# Altium PCB PR2387.PcbDoc (part 1 of 2)
Units mil, origin at the board's own origin, x right, y up, seen from the top; angles counter-clockwise.
Board outline 2750 x 2500 mil, 2 copper layers (Top Layer, Bottom Layer), stack 61.6 mil thick; 130 components, 60 nets, 319 pads, 83 vias.
Unrouted connection lines stored in the file: 7.
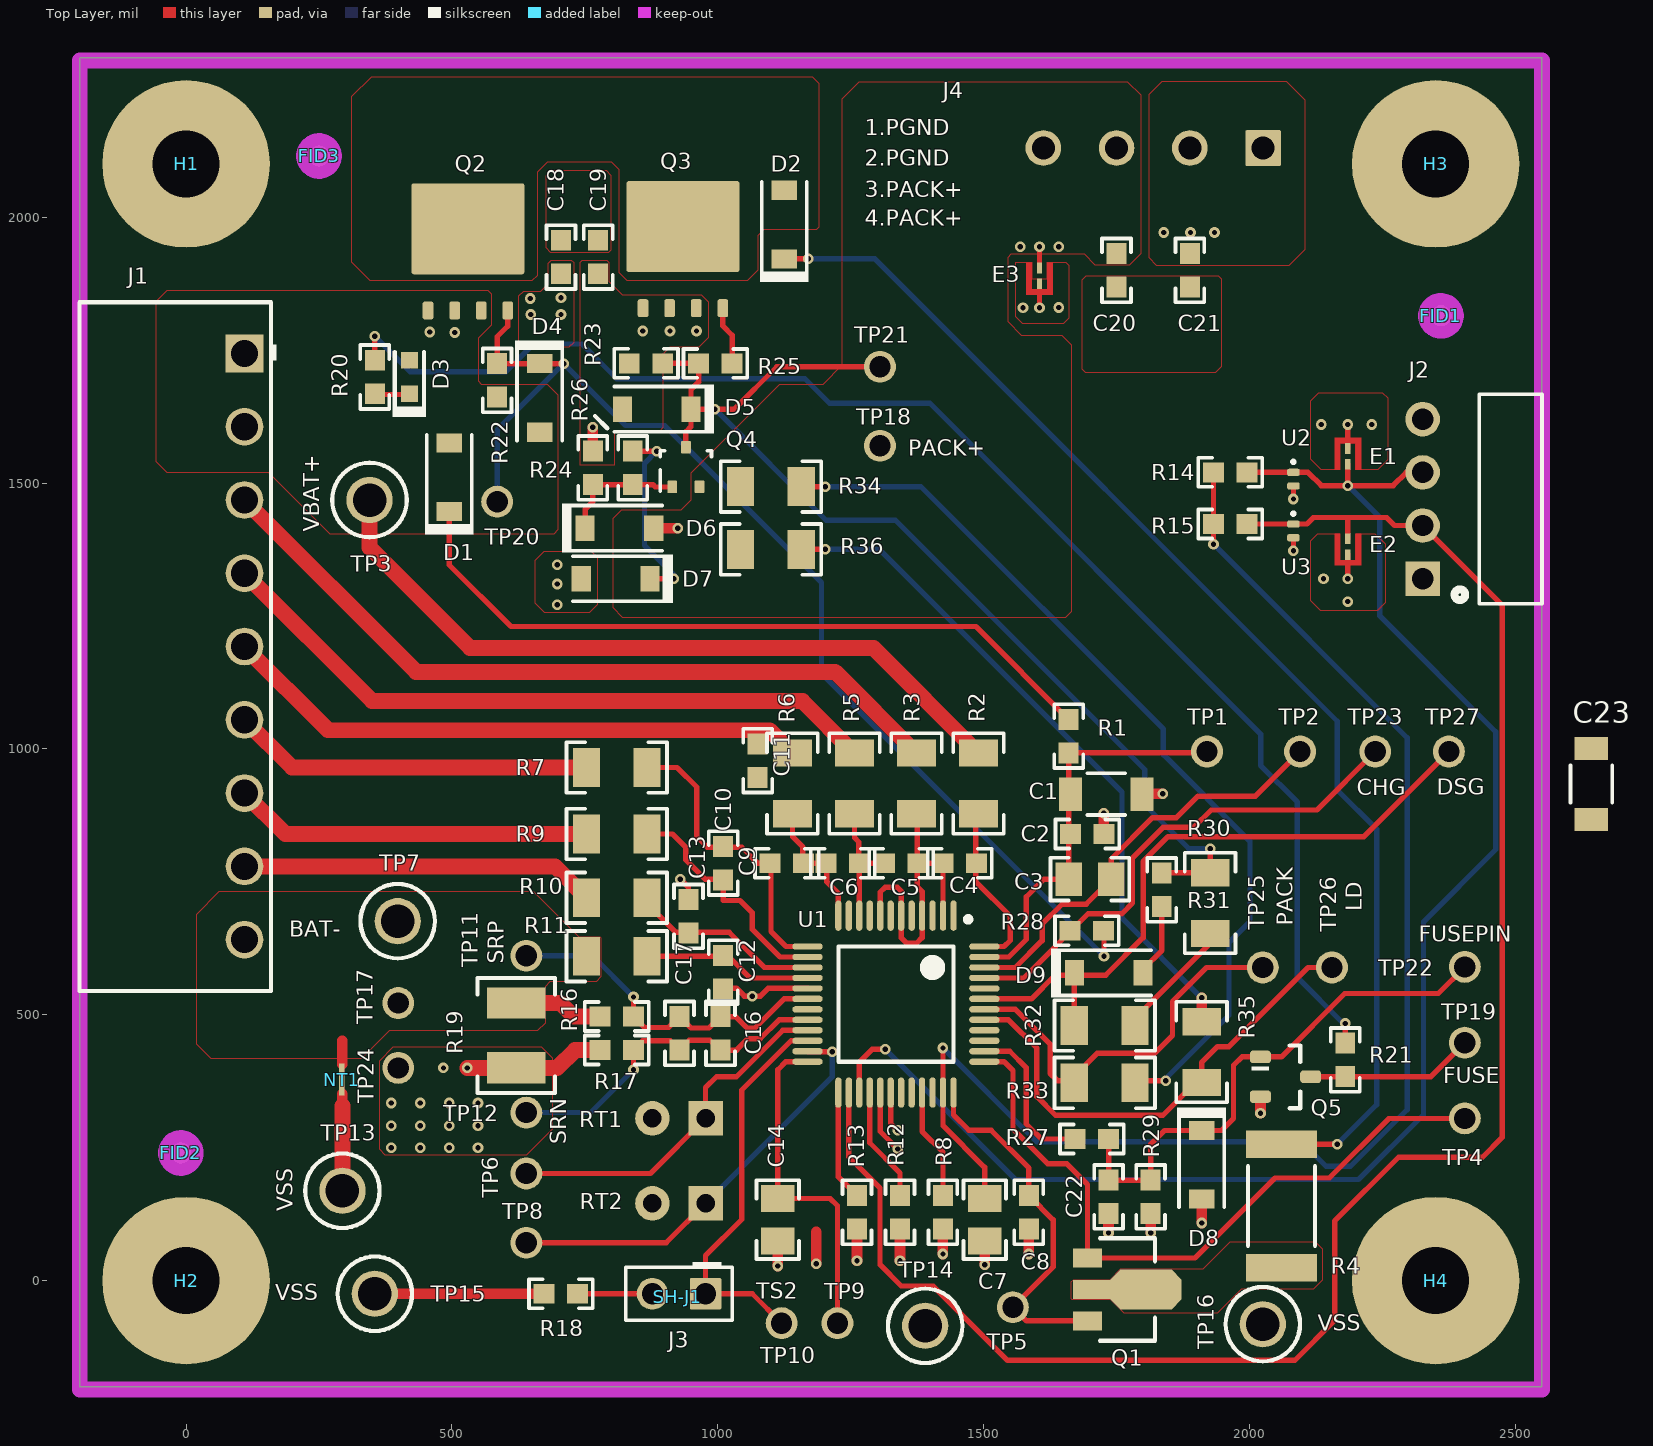
[diagram p0: Top Layer view]
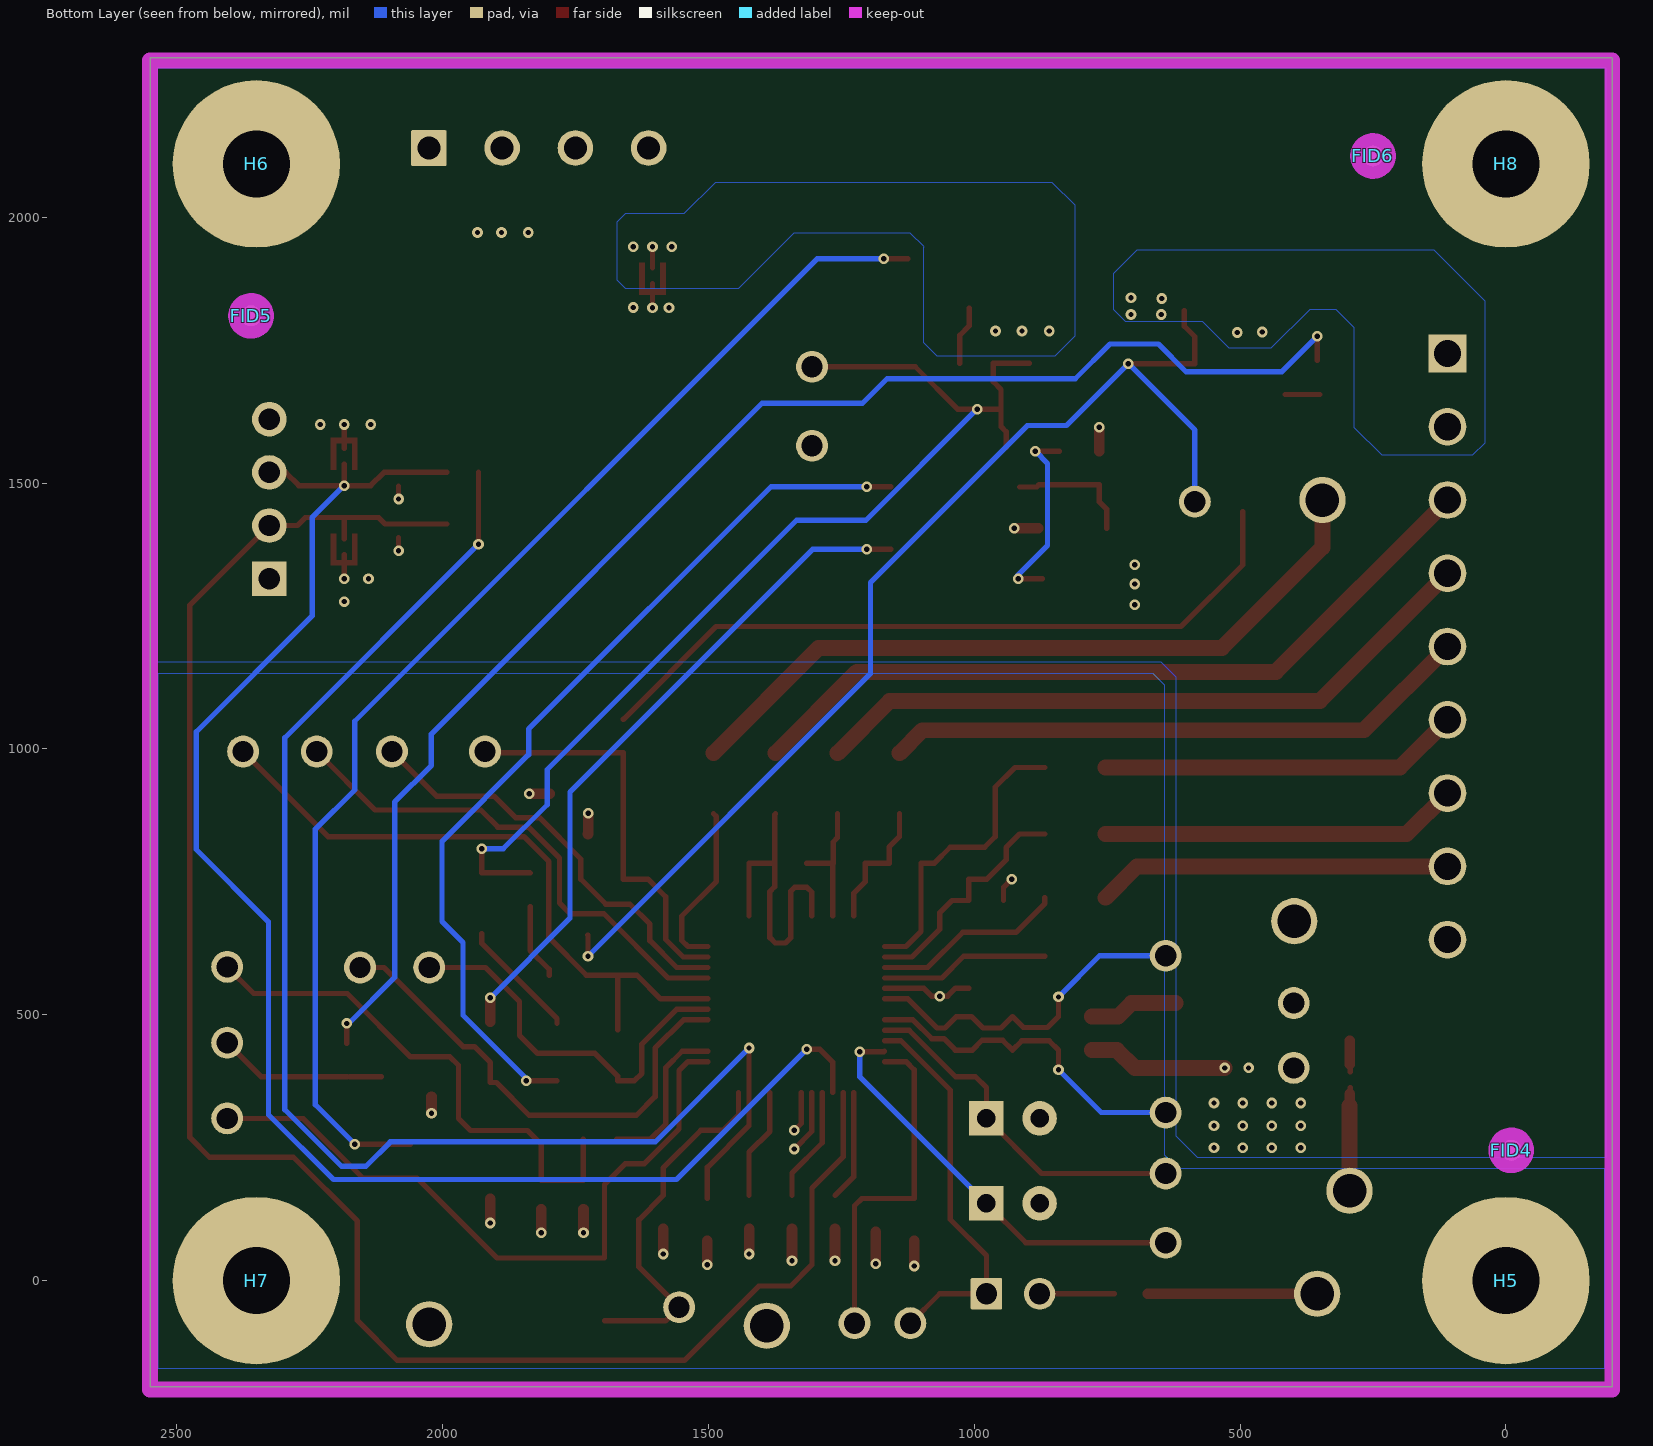
[diagram p1: Bottom Layer view, seen from below]

## Layer stack, top to bottom
Top Solder: solder mask 0.4, Solder Resist, Dk 3.5
Top Layer: signal copper 2.8
Dielectric 3: prepreg 56, FR-4 High Tg, Dk 4.2
Bottom Layer: signal copper 2.8
Bottom Solder: solder mask 0.4, Solder Resist, Dk 3.5

## Board outline
-200,-200 2550,-200 2550,2300 -200,2300

## Design rules (kind name [scope] priority, off if disabled: settings)
AcuteAngle [All] p1: minimum=4.50000000000000E+0001 checktracksonly=FALSE
AssemblyTestPointUsage [All] p1: valid=2
BoardOutlineClearance BoardOutlineClearance_MountingHoles [OnCopper and InComponentClass('Mounting Holes')] p1: gap=39.37 ignorepadtopadclearanceinfootprint=FALSE
BoardOutlineClearance BoardOutlineClearance_Poly [OnCopper and IsPoly] p2: gap=20 ignorepadtopadclearanceinfootprint=FALSE
BoardOutlineClearance [OnCopper and Not InComponentClass('Logo') and not InComponentClass('FiducialMark') and not InRegion(1000,500,4000,800) and not InPoly] p3: gap=18 ignorepadtopadclearanceinfootprint=FALSE
Clearance Clearance_FiducialMark [IsKeepOut and InComponentClass('FiducialMark') vs IsPad and InComponentClass('FiducialMark')] p1: gap=0 ignorepadtopadclearanceinfootprint=FALSE
Clearance Clearance_Iskeepot [IsKeepOut] p2: gap=1 ignorepadtopadclearanceinfootprint=FALSE
Clearance Clearance_NPTH [IsThruPin And (PadIsPlated = 'False')] p3: gap=20 ignorepadtopadclearanceinfootprint=FALSE
Clearance Clearance_Poly-poly [InPolygon vs InPolygon] p4: gap=15 ignorepadtopadclearanceinfootprint=FALSE
Clearance Clearance_Polygon [InPolygon] p5: gap=10 ignorepadtopadclearanceinfootprint=FALSE
Clearance [All] p6: gap=7.87 ignorepadtopadclearanceinfootprint=FALSE
DiffPairsRouting [All] p1: maxlimit=100 minlimit=10 mostfreqgap=10 toplayer_minwidth=15 toplayer_maxwidth=15 toplayer_prefwidth=15 bottomlayer_minwidth=15 bottomlayer_maxwidth=15 bottomlayer_prefwidth=15 maxuncoupledlength=1000
FabricationTestPointUsage TestPointUsage [All] p1: valid=2 allowmultiple=FALSE
FabricationTestpoint Testpoint [All] p1: side=3 testpointundercomponent=TRUE minsize=40 maxsize=100 preferedsize=60 minholesize=0 maxholesize=40 preferedholesize=32 testpointgrid=1 allowsidetop=TRUE allowsidebottom=TRUE usegrid=TRUE gridtolerance=0.01
FanoutControl Fanout_LCC [IsLCC] p1: bgadir=Out bgaviamode=Centered fanoutstyle=Auto fanoutdirection=Alternating viagrid=1 // Fanout_LCC (Default Rule)
FanoutControl Fanout_BGA [IsBGA] p2: bgadir=Out bgaviamode=Centered fanoutstyle=Auto fanoutdirection=Alternating viagrid=1 // Fanout_BGA (Default Rule)
FanoutControl Fanout_Default [All] p4: bgadir=Out bgaviamode=Centered fanoutstyle=Auto fanoutdirection=Alternating viagrid=1 // Fanout_Default (Default Rule)
FanoutControl Fanout_Small [(CompPinCount < 5)] p5: bgadir=Out bgaviamode=Centered fanoutstyle=Auto fanoutdirection=OutThenIn viagrid=1 // Fanout_Small (Default Rule)
HoleSize [All] p1: absolutevalues=TRUE maxlimit=251 minlimit=7.87 maxpercent=80.000 minpercent=20.000
MinimumAnnularRing MinimumAnnularRing_ThermalPadVias [IsVia and InAnyComponent] p1: minimumring=5.91
MinimumAnnularRing [All] p2: minimumring=5
MinimumSolderMaskSliver MinimumSolderMaskSliver_Logo [InComponentClass('Logo') vs InComponentClass('Logo')] p1: minsoldermaskwidth=0.7
MinimumSolderMaskSliver [All] p2: minsoldermaskwidth=3.9
PlaneConnect [All] p1: planeconnectstyle=Relief reliefexpansion=10 reliefentries=4 reliefconductorwidth=10 reliefairgap=10
PolygonConnect [All] p1: connectstyle=Direct reliefconductorwidth=10 reliefentries=4 polygonreliefangle="90 Angle" airgapwidth=10
RoutingVias ThermalPadVias [IsVia and InAnyComponent] p1: holewidth=7.87 width=19.68 viastyle="Through Hole" minholewidth=7.87 minwidth=19.68 maxholewidth=12.99 maxwidth=23.62
RoutingVias [All] p2: holewidth=16 width=34 viastyle="Through Hole" minholewidth=7.87 minwidth=20 maxholewidth=40 maxwidth=65
SilkToBoardRegionClearance [Not ((IsComment or IsDesignator) And (Hide <> 'False')) and not InRegion(1000,500,4000,800)] p1:
SilkToSilkClearance SilkToSilkClearance_Pb-FreeLogo [(HasFootprint('Pb-Free_Overlay_Medium') OR HasFootprint('Pb-Free_Overlay_Small')) vs (HasFootprint('Pb-Free_Overlay_Medium') OR HasFootprint('Pb-Free_Overlay_Small'))] p1: silktosilkclearance=0
SilkToSilkClearance [All] p2: silktosilkclearance=4
SilkToSolderMaskClearance SilkToComponentPadClearance [(IsPad or IsFill or IsRegion) and InAnycomponent] p1: minsilkscreentomaskgap=5 clearancetoexposedcopper=TRUE
SilkToSolderMaskClearance "Silk to Solder Mask Opening" [All] p2: minsilkscreentomaskgap=3.94 clearancetoexposedcopper=FALSE
SolderMaskExpansion SolderMaskExpansion_NPTH [IsThruPin And (PadIsPlated = 'False')] p1: expansion=5 istentingtop=FALSE
SolderMaskExpansion SolderMaskExpansion_PTH [IsThruPin] p2: expansion=2.5 istentingtop=FALSE
SolderMaskExpansion [All] p3: expansion=0 istentingtop=FALSE
Width [All] p1: maxlimit=100 minlimit=6 preferedwidth=10 checkconnectedcopper=TRUE
16 further rules are at their usual default settings.

## Classes and differential pairs
component class "Mounting Holes": H1 H2 H3 H4
component class Shunt: SH-J1
component class Header: J3
component class PR2387_Monitor: 3 C1 C2 C3 C4 C5 C6 C7 C8 C9 C10 C11 C12 C13 C14 C16 C17 C23 D1 D2 E1 E2 J2 J3 NT1 Q1 R1 R2 R3 R4 R5 R6 R7 R8 R9 R10 R11 R12 R13 R14 R15 R16 R17 R18 R19 RT1 RT2 TP1 TP2 TP3 TP4 TP5 TP6 TP7 TP8 TP9 TP10 TP11 TP12 TP13 TP14 TP15 TP16 TP17 U1 U2 U3
component class PR2387_FETs: C18 C19 C20 C21 C22 D3 D4 D5 D6 D7 D8 D9 E3 J4 Q2 Q3 Q4 Q5 R20 R21 R22 R23 R24 R25 R26 R27 R28 R29 R30 R31 R32 R33 R34 R35 R36 TP18 TP19 TP20 TP21 TP22 TP23 TP24 TP25 TP26 TP27
component class PR2387_Hardware: FID1 FID2 FID3 FID4 FID5 FID6 H1 H2 H3 H4 H5 H6 H7 H8 SH-J1 ZZ1 ZZ2 ZZ3
component class FiducialMark: FID1 FID2 FID3 FID4 FID5 FID6
component class AssemblyNote: ZZ1 ZZ2 ZZ3

## Components (designator, comment, footprint, x,y, rotation, side; value= is the part's Value field where it differs from the comment)
C1 "C3216X7R2A105K160AA" 1206_180 1730.61,915 r0 top value=1uF
C2 "GCM1885C2A101JA16D" 0603 1694.88,840 r0 top value=100pF
C3 "GCM219R71E474KA55D" 0805_HV 1699.88,755 r0 top value=0.47uF
C4 "C1608X7R1H224K080AB" 0603 1455,785 r180 top value=0.22uF
C5 "C1608X7R1H224K080AB" 0603 1345,785 r180 top value=0.22uF
C6 "C1608X7R1H224K080AB" 0603 1235,785 r180 top value=0.22uF
C7 "EMK212B7105KG-T" 0805_HV 1501.91,114.49 r90 top value=1uF
C8 "C0603C223K4RACTU" 0603 1585,128.5 r90 top value=0.022uF
C9 "C1608X7R1H224K080AB" 0603 1130,785 r180 top value=0.22uF
C10 "C1608X7R1H224K080AB" 0603 1010,785 r270 top value=0.22uF
C11 "C1608X7R1H224K080AB" 0603 1075,978 r270 top value=0.22uF
C12 "C1608X7R1H224K080AB" 0603 1010,580 r270 top value=0.22uF
C13 "C1608X7R1H224K080AB" 0603 945,685 r90 top value=0.22uF
C14 "EMK212B7225KG-T" 0805_HV 1112.8,114.49 r90 top value=2.2uF
C16 "C0603C101J5GACTU" 0603 1005,465 r90 top value=100pF
C17 "885012206095" 0603 928,465 r270 top value=0.1uF
C18 "GCJ188R72A104KA01D" 0603 705,1925 r270 top value=0.1uF
C19 "GCJ188R72A104KA01D" 0603 775,1925 r90 top value=0.1uF
C20 "GCJ188R72A104KA01D" 0603 1750,1900 r90 top value=0.1uF
C21 "GCJ188R72A104KA01D" 0603 1887.79,1900 r270 top value=0.1uF
C22 "885012206095" 0603 1735,157.47 r90 top value=0.1uF
C23 "C3216X7R2A105K160AA" 1206_180 2643,934 r90 top value=1uF
D1 "BAT46W-7-F" SOD-123 495,1511 r90 top value=100V
D2 "BAT46W-7-F" SOD-123 1125,1986.02 r90 top value=100V
D3 "150060RS75000" WL-SMCW_RED 420,1699.37 r90 top value=Red
D4 "MMSZ5246B-7-F" SOD-123 665,1660 r270 top value=16V
D5 "MMSZ5246B-7-F" SOD-123 885,1638.98 r180 top value=16V
D6 "MMSZ5246B-7-F" SOD-123 815,1415 r0 top value=16V
D7 "1N4148W-7-F" SOD-123 807.73,1320 r180 top value=100V
D8 "MMSZ4697T1G" SOD-123 1910,217.87 r270 top value=10V
D9 "BAT46W-7-F" SOD-123 1735,578.57 r0 top value=100V
E1 "Spark Gap" SPARK_GAP2 2185,1555 r180 top
E2 "Spark Gap" SPARK_GAP2 2185,1375 r0 top
E3 "Spark Gap" SPARK_GAP2 1605,1884.45 r0 top
FID1 "Fiducial" Fiducial10-20 2360,1814.34 r0 top
FID2 "Fiducial" Fiducial10-20 -10,240 r0 top
FID3 "Fiducial" Fiducial10-20 250,2115 r0 top
FID4 "Fiducial" Fiducial10-20 -10,245 r180 bottom
FID5 "Fiducial" Fiducial10-20 2360,1814.34 r180 bottom
FID6 "Fiducial" Fiducial10-20 250,2115 r180 bottom
H1 "440 screw" "NY PMS 440 0025 PH" 0,2100 r270 top
H2 "440 screw" "NY PMS 440 0025 PH" 0,0 r0 top
H3 "440 screw" "NY PMS 440 0025 PH" 2350,2100 r180 top
H4 "440 screw" "NY PMS 440 0025 PH" 2350,0 r90 top
H5 "1902C" Keystone_1902C 0,0 r180 bottom
H6 "1902C" Keystone_1902C 2350,2100 r0 bottom
H7 "1902C" Keystone_1902C 2350,0 r90 bottom
H8 "1902C" Keystone_1902C 0,2100 r270 bottom
J1 "39502-1009" Molex_39502-1009 109.81,1192.43 r270 top locked
J2 "22/05/3041" CONN_22-05-3041 2550,1470 r90 top
J3 "PEC02SAAN" CONN_PEC02SAAN 927,-24.72 r180 top
J4 "OSTTE040161" FP-OSTTE040161_HDR4-MFG 1818.9,2133.94 r180 top
NT1 "Net-Tie" Net-Tie_10milWide_30milLong 293,378 r90 top net-tie
Q1 "FCX495TA" SOT-89-3 1770,-16.65 r0 top value="150 V"
Q2 "CSD19532Q5B" DNK0008A 530,1935.47 r90 top value=100V
Q3 "CSD19532Q5B" DNK0008A 934.45,1939.76 r90 top value=100V
Q4 "MOSFET_N_D3G1S2" SOT-323 940,1530 r90 top value=60V
Q5 "PMV213SN,215" SOT-23 2067.76,383.35 r0 top value=100V
R1 "Resistor" 0603 1659.88,1024.13 r90 top value=100
R2 "CRCW120620R0FKEA" 1206 1490.31,935 r270 top value=20.0
R3 "CRCW120620R0FKEA" 1206 1373.65,935 r270 top value=20.0
R4 "CRCW2512150RJNEG" 2512 2060,140.35 r90 top value=150
R5 "CRCW120620R0FKEA" 1206 1256.98,935 r270 top value=20.0
R6 "CRCW120620R0FKEA" 1206 1140.31,935 r270 top value=20.0
R7 "CRCW120620R0FKEA" 1206 810,965 r0 top value=20.0
R8 "CRCW06031K00JNEA" 0603 1423.35,128.5 r90 top value=1.0k
R9 "CRCW120620R0FKEA" 1206 810,840 r0 top value=20.0
R10 "CRCW120620R0FKEA" 1206 810,720 r0 top value=20.0
R11 "CRCW120620R0FKEA" 1206 810,610 r0 top value=20.0
R12 "CRCW06031K00JNEA" 0603 1342.53,128.5 r90 top value=1.0k
R13 "CRCW06031K00JNEA" 0603 1261.71,128.5 r90 top value=1.0k
R14 "CRCW060310K0JNEA" 0603 1963.76,1520 r0 top value=10k
R15 "CRCW060310K0JNEA" 0603 1963.76,1422.8 r0 top value=10k
R16 "Resistor" 0603 810,496.5 r0 top value=100
R17 "Resistor" 0603 810,433.5 r0 top value=100
R18 "CRCW060310K0JNEA" 0603 705,-24.72 r0 top value=10k
R19 "Resistor" 1210M 621,461 r90 top value=0.001
R20 "CRCW06033K90JNEA" 0603 355,1699.37 r270 top value=3.9k
R21 "CRCW06033K90JNEA" 0603 2180,415 r90 top value=3.9k
R22 "Resistor" 0603 585,1692.97 r90 top value=10Meg
R23 "Resistor" 0603 865,1725 r0 top value=10Meg
R24 "Resistor" 0603 765,1528.37 r270 top value=10Meg
R25 "CRCW06030000Z0EA" 0603 995.53,1725 r180 top value=0
R26 "Resistor" 0603 840,1528.37 r90 top value=10k
R27 "Resistor" 0603 1703.5,266.22 r180 top value=5.1k
R28 "CRCW06035K10JNEA" 0603 1694,658 r0 top value=5.1k
R29 "Resistor" 0603 1813.96,157.47 r90 top value=20k
R30 "CRCW12065K10JNEA" 1206 1926.02,710 r90 top value=5.1k
R31 "CRCW06037K50FKEA" 0603 1835,735 r90 top value=7.50k
R32 "CRCW12065K10JNEA" 1206 1727.62,479.7 r0 top value=5.1k
R33 "CRCW12065K10JNEA" 1206 1727.62,372 r180 top value=5.1k
R34 "CRCW12065K10JNEA" 1206 1100,1493.27 r0 top value=5.1k
R35 "CRCW12065K10JNEA" 1206 1910,429.76 r270 top value=5.1k
R36 "CRCW12065K10JNEA" 1206 1100,1375.16 r0 top value=5.1k
RT1 "Thermistor" THERMISTOR_103AT-2 927,305.28 r180 top value=10k
RT2 "Thermistor" THERMISTOR_103AT-2 927,145.28 r180 top value=10k
SH-J1 "SNT-100-BK-G" SNT-100-BK-G 925,-30 r180 top value=1x2
TP1 "TESTPOINT" TP_VIA_060RND040 1920,995 r0 top
TP2 "TESTPOINT" TP_VIA_060RND040 2095,995 r0 top
TP3 "TESTPOINT" Keystone5010 345,1468 r0 top
TP4 "TESTPOINT" TP_VIA_060RND040 2404.95,305 r180 top
TP5 "TESTPOINT" TP_VIA_060RND040 1555,-50 r0 top
TP6 "TESTPOINT" TP_VIA_060RND040 640,201.5 r0 top
TP7 "TESTPOINT" Keystone5011 398,676 r0 top
TP8 "TESTPOINT" TP_VIA_060RND040 640,71.18 r0 top
TP9 "TESTPOINT" TP_VIA_060RND040 1225,-80 r90 top
TP10 "TESTPOINT" TP_VIA_060RND040 1120,-80 r90 top
TP11 "TESTPOINT" TP_VIA_060RND040 640,611 r270 top
TP12 "TESTPOINT" TP_VIA_060RND040 640,316 r270 top
TP13 "5006" Keystone5006 294,169 r180 top
TP14 "5006" Keystone5006 1390,-85 r180 top
TP15 "5006" Keystone5006 355,-24.72 r180 top
TP16 "5006" Keystone5006 2025,-82 r180 top
TP17 "TESTPOINT" TP_VIA_060RND040 399,522.02 r90 top
TP18 "TESTPOINT" TP_VIA_060RND040 1305,1570 r90 top
TP19 "TESTPOINT" TP_VIA_060RND040 2404.95,447.48 r0 top
TP20 "TESTPOINT" TP_VIA_060RND040 585,1465 r90 top
TP21 "TESTPOINT" TP_VIA_060RND040 1305,1718.7 r90 top
TP22 "TESTPOINT" TP_VIA_060RND040 2404.95,590 r90 top
TP23 "TESTPOINT" TP_VIA_060RND040 2236.5,995 r90 top
TP24 "TESTPOINT" TP_VIA_060RND040 399,399.98 r180 top
TP25 "TESTPOINT" TP_VIA_060RND040 2025,588.9 r180 top
TP26 "TESTPOINT" TP_VIA_060RND040 2155,588.9 r90 top
TP27 "TESTPOINT" TP_VIA_060RND040 2374.95,995 r90 top
U1 "BQ76942PFBR" PFB0048A_N 1335,520 r270 top locked
U2 "TPD1E10B06DPYR" DPY0002A 2082.52,1507.21 r270 top
U3 "TPD1E10B06DPYR" DPY0002A 2082.52,1410 r270 top
ZZ1 "These assemblies are ESD sensitive, ESD precautions shall be observed." AssemblyNote -900,3500 r0 top
ZZ2 "These assemblies must be clean and free from flux and all contaminants. Use of no clean flux is not acceptable." AssemblyNote -900,3400 r0 top
ZZ3 "These assemblies must comply with workmanship standards IPC-A-610 Class 2, unless otherwise specified." AssemblyNote -900,3300 r0 top

## Footprints (in the part's own frame and the unit in brackets; to place one, negate y for a bottom-side part, rotate by r counter-clockwise, add the part's x,y. Pads: shape width x height; smd on the part's side, far side on the other; paste and mask are expansions set on the pad)
0603 [mm] "0603 from SM-752 data"
  rect 1x0.95 smd: 1(-0.8,0) 2(0.8,0)
  silkscreen extent -1.52,-0.69 1.52,0.69, body extent -0.87,-0.47 0.87,0.47, height 1
0805_HV [mil] "0805 with 30mil clearance between pads"
  rect 50x63 smd: 1(-40,0) 2(40,0)
  silkscreen extent -74,-40 74,40, body extent -43,-29 43,29, height 57
1206 [mm] "1206 from SM-752 data"
  rect 1.3x1.85 smd: 1(-1.45,0) 2(1.45,0)
  silkscreen extent -2.4,-1.21 2.4,1.21, body extent -1.7,-0.9 1.7,0.9, height 1.35
1206_180 [mm] "1206_180"
  rect 1.1x1.6 smd: 1(-1.7,0) 2(1.7,0)
  silkscreen extent -0.9,-1 0.9,1, body extent -1.75,-0.95 1.75,0.95, height 1.8
1210M [mm] "1210 from SM-752 data"
  rect 1.5x2.8 smd: 1(-1.55,0) 2(1.55,0)
  silkscreen extent -2.75,-1.85 2.75,1.85, body extent -1.7,-1.35 1.7,1.35, height 1.35
2512 [mm] "Chip Resistor, Body 6.3x3.2mm, IPC Medium Density"
  rect 1.3x3.4 smd: 1(-2.95,0) 2(2.95,0)
  silkscreen extent -1.9,-1.6 1.9,1.6, body extent -3.22,-1.67 3.22,1.67, height 0.71
AssemblyNote [mil] "Assembly Note"
CONN_22-05-3041 [mm] "MOLEX"
  rect 1.65x1.65 hole 1.02: 1(-3.81,5.7)
  round 1.65 hole 1.02: 2(-1.27,5.7) 3(1.27,5.7) 4(3.81,5.7)
  silkscreen extent -5,0 5,4.18, body extent -5,-6.91 5,6.02, height 6.37
CONN_PEC02SAAN [mm] "SULLINS"
  rrect7% 1.5x1.5 hole 1.016: 1(-1.27,0)
  round 1.5 hole 1.016: 2(1.27,0)
  silkscreen extent -2.54,-1.52 2.54,1.27, body extent -2.54,-1.27 2.54,1.27, height 8.38
DNK0008A [mm] "SON, 8-Leads, Body 5x6mm"
  rrect39% 0.86x0.51 smd paste-0.05 mask-0.05: 1(-2.82,1.905) 2(-2.82,0.635) 3(-2.82,-0.635) 4(-2.82,-1.905) 5(2.82,-1.905) 6(2.82,-0.635) 7(2.82,0.635) 8(2.82,1.905)
  rrect40% 0.25x0.555 on Top Paste: 9(-0.83,2.372) 9(-0.83,-2.373)
  rrect40% 0.25x0.555 on Top Solder: 9(-0.83,2.372) 9(-0.83,-2.373)
  rrect11% 0.95x1.13 on Top Paste: 9(-0.535,1.33) 9(-0.535,0) 9(-0.535,-1.33) 9(0.615,1.33) 9(0.615,0) 9(0.615,-1.33) 9(1.765,-1.33) 9(1.765,0) 9(1.765,1.33)
  rrect3% 3.58x4 on Top Solder: 9(0.75,0)
  rrect5% 4.34x5.4 smd paste-3 mask-3: 9(1.08,0)
  body extent -3.05,-2.55 3.05,2.55, height 1.06
DPY0002A [mm] "X1SON-2"
  rrect57% 0.35x0.6 smd paste-0.5 mask-0.05: 1(-0.325,0) 2(0.325,0)
  rrect33% 0.3x0.5 on Top Paste: 1S(-0.35,0) 2S(0.35,0)
  silkscreen extent -0.85,-0.02 -0.8,0.03, body extent -0.5,-0.3 0.5,0.3, height 0.45
Fiducial10-20 [mm]
  round 1 smd mask+0.5: 1(0,0)
  Top Layer keep-out circle w1.178: c0,0 r0.5
FP-OSTTE040161_HDR4-MFG [mm]
  rrect6% 1.7x1.7 hole 1.1 paste-2539.97 mask+0: 1(-5.25,0.1)
  round 1.7 hole 1.1 paste-2539.97 mask+0: 2(-1.75,0.1) 3(1.75,0.1) 4(5.25,0.1)
  body extent -7.68,-3.75 7.68,3.75, height 0.25
Keystone5006 [mil] "Keystone Compact loops"
  round 87 hole 63: 1(0,0)
  silkscreen extent -70,-70 70,70, body extent -63,-63 62,63, height 225
Keystone5010 [mil] "Keystone Multipurpose loops"
  round 87 hole 63: 1(0,0)
  silkscreen extent -70,-70 70,70, body extent -63,-63 63,62, height 319
Keystone5011 [mil] "Keystone Multipurpose loops"
  round 87 hole 63: 1(0,0)
  silkscreen extent -70,-70 70,70, body extent -63,-63 63,62, height 319
Keystone_1902C [mil] "Hex Standoff, 4-40 threaded, nylon"
  round 1 on Mech4: 0(0,0)
  body extent -145,-126 146,126, height 501
Molex_39502-1009 [mm] "Header(Shrouded), 3.5mm, 9x1, R/A, TH"
  rect 1.8x1.8 hole 1.3: 1(-14,0)
  round 1.8 hole 1.3: 2(-10.5,0) 3(-7,0) 4(-3.5,0) 5(0,0) 6(3.5,0) 7(7,0) 8(10.5,0) 9(14,0)
  silkscreen extent -16.45,-7.87 16.45,1.52, body extent -16.45,-7.87 16.44,1.27, height 6.86
Net-Tie_10milWide_30milLong [mil] "10mil net tie, no solder mask opening, no solder paste"
  rect 30x10 smd paste-5 mask-5: 1(-15,0) 2(15,0)
"NY PMS 440 0025 PH" [mm] "4-40 nylon screw and mounting hole"
  round 8 hole 3.2: 1(0,0)
  body extent -3.3,-3.3 3.3,3.3, height 2.69
PFB0048A_N [mm] "Thin QFP, 48-Leads, Body 7x7mm, Pitch 0.5mm, IPC Medium Density"
  oval 1.45x0.3 smd: 1(-4.225,2.75) 2(-4.225,2.25) 3(-4.225,1.75) 4(-4.225,1.25) 5(-4.225,0.75) 6(-4.225,0.25) 7(-4.225,-0.25) 8(-4.225,-0.75) 9(-4.225,-1.25) 10(-4.225,-1.75) 11(-4.225,-2.25) 12(-4.225,-2.75) 25(4.225,-2.75) 26(4.225,-2.25) 27(4.225,-1.75) 28(4.225,-1.25) 29(4.225,-0.75) 30(4.225,-0.25) 31(4.225,0.25) 32(4.225,0.75) 33(4.225,1.25) 34(4.225,1.75) 35(4.225,2.25) 36(4.225,2.75)
  oval 0.3x1.45 smd: 13(-2.75,-4.225) 14(-2.25,-4.225) 15(-1.75,-4.225) 16(-1.25,-4.225) 17(-0.75,-4.225) 18(-0.25,-4.225) 19(0.25,-4.225) 20(0.75,-4.225) 21(1.25,-4.225) 22(1.75,-4.225) 23(2.25,-4.225) 24(2.75,-4.225) 37(2.75,4.225) 38(2.25,4.225) 39(1.75,4.225) 40(1.25,4.225) 41(0.75,4.225) 42(0.25,4.225) 43(-0.25,4.225) 44(-0.75,4.225) 45(-1.25,4.225) 46(-1.75,4.225) 47(-2.25,4.225) 48(-2.75,4.225)
  silkscreen extent -4.17,-2.75 2.75,3.58, body extent -4.5,-4.5 4.5,4.5, height 1.07
SNT-100-BK-G [mil] "Samtec STEP model"
  round 1 on Mech3: 0(0,0)
  body extent -100,-50 100,50, height 344
SOD-123 [mm] "On Semi recommended land pattern"
  rect 0.915x1.22 smd: 1(-1.637,0) 2(1.637,0)
  silkscreen extent -2.74,-1.17 2.03,1.17, body extent -1.93,-0.9 1.93,0.9, height 1.35
SOT-23 [mm] "SOT23, 3-Leads, Body 2.9x1.3mm, Pitch 0.95mm, Lead Span 2.5mm, IPC Medium Density"
  rrect50% 1x0.6 smd: 1(-1.2,0.95) 2(-1.2,-0.95) 3(1.2,0)
  silkscreen extent -1.62,-1.5 0.7,1.5, body extent -1.16,-1.45 1.21,1.45, height 1
SOT-89-3 [mm] "SOT, 3-Leads, Body 4.6 x 2.6 mm, Pitch 1.5mm"
  rect 1.4x0.9 smd: 1(-1.9,1.5) 3(-1.9,-1.5)
  rect 1.8x0.9 smd: 2(-1.7,0)
  oct 3.4x1.9 smd: 4(0.9,0)
  silkscreen extent -1.3,-2.45 1.33,2.45, body extent -2.42,-2.28 1.83,2.32, height 1.62
SOT-323 [mm] "Diodes Inc recommended land pattern.  2016-02-24"
  rrect21% 0.6x0.47 smd: 1(-0.95,0.65) 2(-0.95,-0.65) 3(0.95,0)
  silkscreen extent -1.14,-1.22 0.77,1.22, body extent -1.13,-1.13 1.12,1.12, height 1.13
SPARK_GAP2 [mil] "Copied from PADS legacy libraries."
  rect 10x20 smd: 1(0,20) 2(0,-10)
  Top Layer region: -15,30 -25,30 -25,-30 25,-30 25,30 15,30 15,-20 -15,-20 -15,30
THERMISTOR_103AT-2 [mil] "SEMITEC"
  rect 65x65 hole 35: 1(-50,0)
  round 65 hole 35: 2(50,0)
  body extent -78,-47 79,47, height 338
TP_VIA_060RND040 [mil] "TP_VIA_060RND040"
  round 60 hole 40: 1(0,0)
WL-SMCW_RED [mm] "WURTH"
  rect 0.8x0.8 smd: 1(-0.8,0) 2(0.8,0)
  silkscreen extent -1.9,-0.8 1.2,0.8, body extent -0.85,-0.45 0.85,0.45, height 0.8

## Part data
C1 C23: library part CMP-0008710-2, "CAP, CERM, 1 uF, 100 V, +/- 10%, X7R, 1206", Cap_Case=1206_180, Manufacturer=TDK, Supplier Part Number 1=445-4467-1-ND, TempCo=X7R, Tolerance_%=10%, Value1="0.004575 ohm", Value2=100V, ValueDisplayed=1uF, AEC Category=Q200, AEC Grade=N/A, AEC Qualified=N, Cap_F=1킚, ComponentLink1Description="Datasheet link", ComponentLink1URL=https://product.tdk.com/en/search/capacitor/ceramic/mlcc/info?part_no=C3216X7R2A105K160AA, CompType=Capacitor, ESR_ohm=4.575m, IRMS_A=3.39639A, LatestRevisionDate=2017-03-09, MountType=SMT, PackageReference=1206, PartNumber=C3216X7R2A105K160AA, Polarized=N, Published=2008-06-19, Publisher="Texas Instruments", RoHS=Y, SizeArea_mm2=5.12, SizeAreaWB_mm2=10.92, SizeX_mm=3.2, SizeY_mm=1.6, SizeZ_mm=1.8, Supplier 1=Digi-Key, Supplier 2=Mouser, Supplier Part Number 2=810-C3216X7R2A105K160AA, TaMax_C=125캜, TaMin_C=-55캜, Technology=Ceramic, U/M=EA, VDC_V=100V
C2: library part CMP-0007130-4, "CAP, CERM, 100 pF, 100 V, +/- 5%, C0G/NP0, AEC-Q200 Grade 1, 0603", Cap_Case=0603, Manufacturer=MuRata, Supplier Part Number 1=490-4771-1-ND, TempCo=C0G/NP0, Tolerance_%=5%, Value1=Unknown, Value2=100V, ValueDisplayed=100pF, AEC Category=Q200, AEC Grade=1, AEC Qualified=Y, Cap_F=100pF, ComponentLink1Description="Datasheet link", ComponentLink1URL=http://psearch.murata.com/capacitor/product/GCM1885C2A101JA16%23.pdf, CompType=Capacitor, LatestRevisionDate=2017-03-09, MountType=SMT, PackageReference=0603, PartNumber=GCM1885C2A101JA16D, Polarized=N, Published=2008-06-19, Publisher="Texas Instruments", RoHS=Y, SizeArea_mm2=1.28, SizeAreaWB_mm2=4.68, SizeX_mm=1.6, SizeY_mm=0.8, SizeZ_mm=1, Supplier 1=Digi-Key, Supplier 2=Mouser, Supplier Part Number 2=81-GCM1885C2A101JA6D, TaMax_C=125캜, TaMin_C=-55캜, Technology=Ceramic, U/M=EA, VDC_V=100V
C3: library part CMP-0008010-2, "CAP, CERM, 0.47 uF, 25 V, +/- 10%, X7R, AEC-Q200 Grade 1, 0805", Cap_Case=0805, Manufacturer=MuRata, Supplier Part Number 1=490-8044-1-ND, TempCo=X7R, Tolerance_%=10%, Value1=Unknown, Value2=25V, ValueDisplayed=0.47uF, AEC Category=Q200, AEC Grade=1, AEC Qualified=Y, Cap_F=470nF, ComponentLink1Description="Datasheet link", ComponentLink1URL=http://psearch.murata.com/capacitor/product/GCM219R71E474KA55%23.pdf, CompType=Capacitor, LatestRevisionDate=2017-03-09, MountType=SMT, PackageReference=0805, PartNumber=GCM219R71E474KA55D, Polarized=N, Published=2008-06-19, Publisher="Texas Instruments", RoHS=Y, SizeArea_mm2=2.5, SizeAreaWB_mm2=6.75, SizeX_mm=2, SizeY_mm=1.25, SizeZ_mm=1.45, Supplier 1=Digi-Key, Supplier 2=Mouser, Supplier Part Number 2=81-GCM219R71E474KA5D, TaMax_C=125캜, TaMin_C=-55캜, Technology=Ceramic, U/M=EA, VDC_V=25V
C4 C5 C6 C9 C10 C11 C12 C13: library part CMP-0007047-4, "CAP, CERM, 0.22 uF, 50 V, +/- 10%, X7R, 0603", Cap_Case=0603, Manufacturer=TDK, Supplier Part Number 1=445-7408-1-ND, TempCo=X7R, Tolerance_%=10%, Value1="0.021699 ohm", Value2=50V, ValueDisplayed=0.22uF, AEC Category=Q200, AEC Grade=N/A, AEC Qualified=N, Cap_F=220nF, ComponentLink1Description="Datasheet link", ComponentLink1URL=https://product.tdk.com/en/search/capacitor/ceramic/mlcc/info?part_no=C1608X7R1H224K080AB, CompType=Capacitor, ESR_ohm=0.021699, IRMS_A=1.12496A, LatestRevisionDate=2017-03-09, MountType=SMT, PackageReference=0603, PartNumber=C1608X7R1H224K080AB, Polarized=N, Published=2008-06-19, Publisher="Texas Instruments", RoHS=Y, SizeArea_mm2=1.28, SizeAreaWB_mm2=4.68, SizeX_mm=1.6, SizeY_mm=0.8, SizeZ_mm=1, Supplier 1=Digi-Key, Supplier 2=Newark, Supplier 3=Mouser, Supplier Part Number 2=04X3259, Supplier Part Number 3=810-C1608X7R1H224K, TaMax_C=125캜, TaMin_C=-55캜, Technology=Ceramic, U/M=EA, VDC_V=50V
C7: library part CMP-0008000-2, "CAP, CERM, 1 uF, 16 V, +/- 10%, X7R, 0805", Cap_Case=0805, Manufacturer="Taiyo Yuden", Supplier Part Number 1=587-1283-1-ND, TempCo=X7R, Tolerance_%=10%, Value1=Unknown, Value2=16V, ValueDisplayed=1uF, AEC Category=Q200, AEC Qualified=?, Cap_F=1킚, ComponentLink1Description="Datasheet link", ComponentLink1URL=http://www.yuden.co.jp/ut/product/pdf/djmk_e.pdf, CompType=Capacitor, LatestRevisionDate=2017-03-09, MountType=SMT, PackageReference=0805, PartNumber=EMK212B7105KG-T, Polarized=N, Published=2008-06-19, Publisher="Texas Instruments", RoHS=Y, SizeArea_mm2=2.5, SizeAreaWB_mm2=6.75, SizeX_mm=2, SizeY_mm=1.25, SizeZ_mm=1.45, Supplier 1=Digi-Key, Supplier 2=Farnell, Supplier Part Number 2=1683653, TaMax_C=125캜, TaMin_C=-55캜, Technology=Ceramic, U/M=EA, VDC_V=16V
C8: library part CMP-0006900-4, "CAP, CERM, 0.022 uF, 16 V, +/- 10%, X7R, 0603", Cap_Case=0603, Manufacturer=Kemet, Supplier Part Number 1=399-1093-1-ND, TempCo=X7R, Tolerance_%=10%, Value1=Unknown, Value2=16V, ValueDisplayed=0.022uF, AEC Category=Q200, AEC Qualified=?, Cap_F=22nF, ComponentLink1Description="Datasheet link", ComponentLink1URL=http://www.kemet.com/kemet/web/homepage/kechome.nsf/vapubfiles/F3102_Y5V.pdf/$file/F3102_Y5V.pdf, CompType=Capacitor, LatestRevisionDate=2017-03-09, MountType=SMT, PackageReference=0603, PartNumber=C0603C223K4RACTU, Polarized=N, Published=2008-06-19, Publisher="Texas Instruments", RoHS=Y, SizeArea_mm2=1.28, SizeAreaWB_mm2=4.68, SizeX_mm=1.6, SizeY_mm=0.8, SizeZ_mm=1, Supplier 1=Digi-Key, Supplier 2=Mouser, Supplier 3=Farnell, Supplier Part Number 2=80-C0603C223K4R, Supplier Part Number 3=1204523, TaMax_C=125캜, TaMin_C=-55캜, Technology=Ceramic, U/M=EA, VDC_V=16V